# Altium PCB 606-100869-r02.pcbdoc (part 2 of 3)
Units mm, origin at the board's own origin, x right, y up, seen from the top; angles counter-clockwise.
Board outline 64 x 68 mm, 4 copper layers (Top Layer, Ground, Power, Bottom Layer), stack 1.551 mm thick; 165 components, 69 nets, 488 pads, 282 vias.
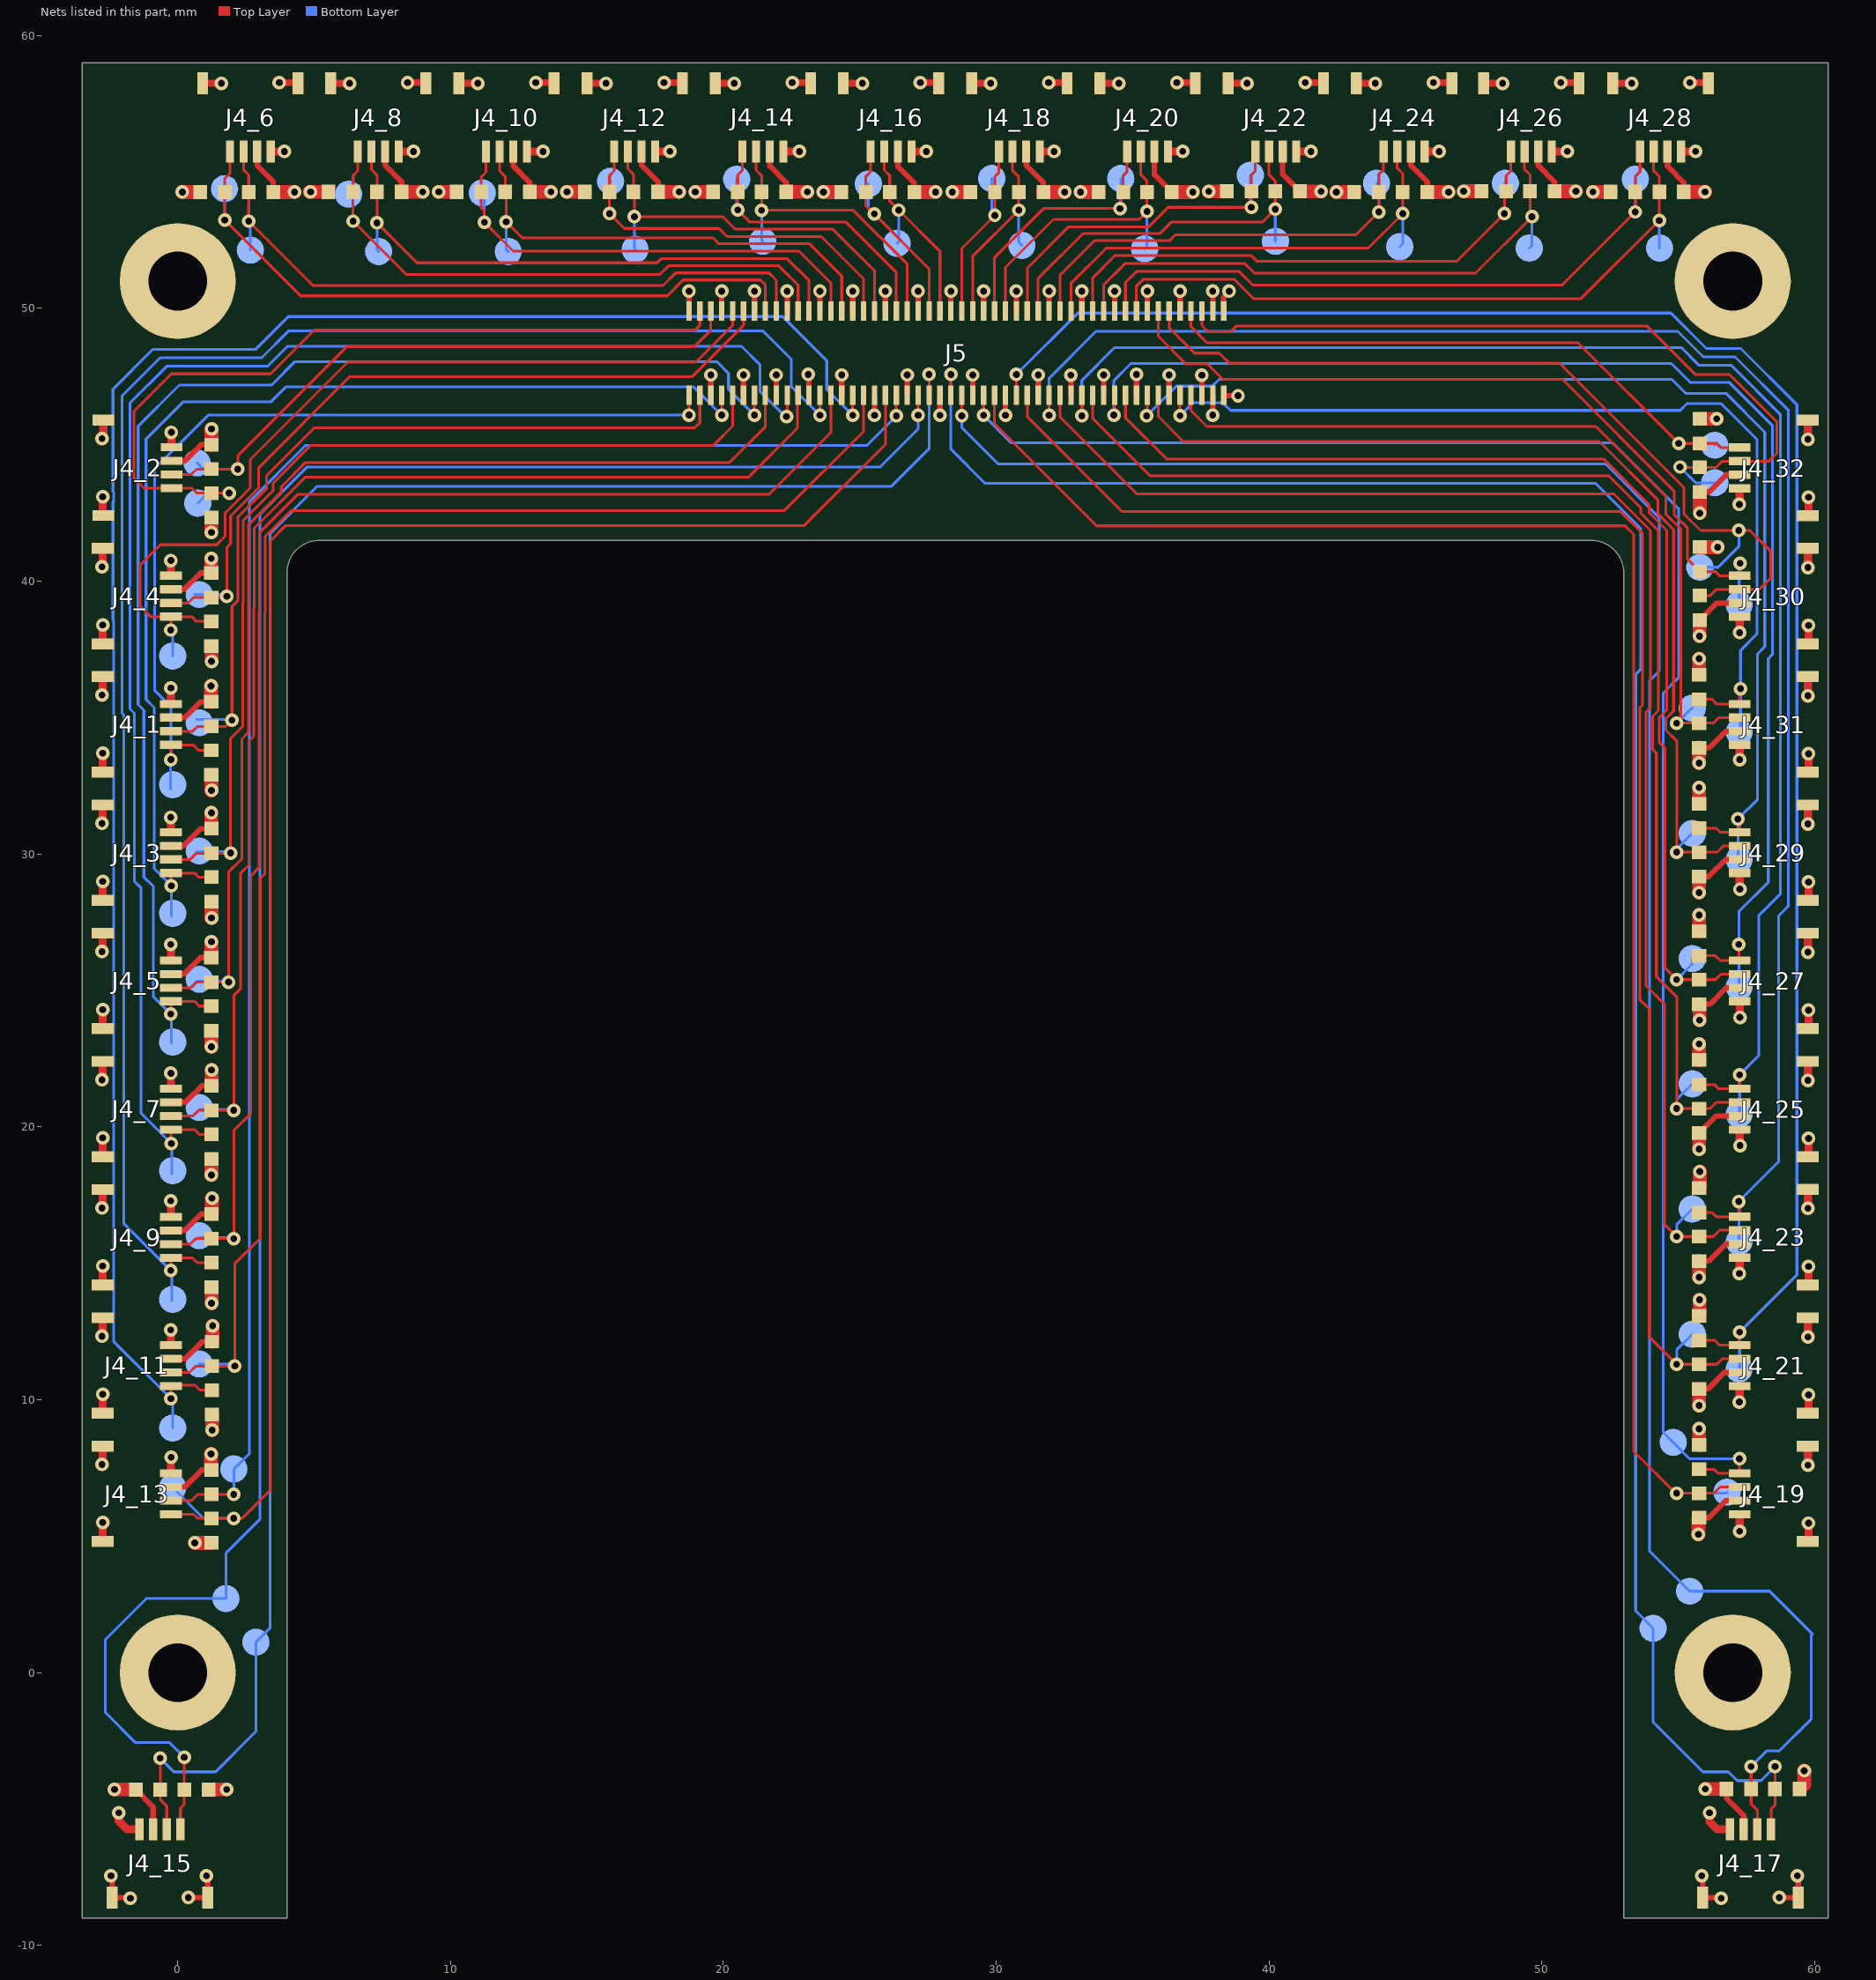
[diagram p4: the nets of this part, all layers, seen from the top]

## Footprints (in the part's own frame and the unit in brackets; to place one, negate y for a bottom-side part, rotate by r counter-clockwise, add the part's x,y. Pads: shape width x height; smd on the part's side, far side on the other; paste and mask are expansions set on the pad) (continued)
con_hirose_FH34SRJ-4S [mm] "CON_HIROSE_FH34SRJ-4S"
  rect 0.3x0.8 smd mask+0: 1(-0.75,-2.75) 2(-0.25,-2.75) 3(0.25,-2.75) 4(0.75,-2.75)
  rect 0.4x0.8 smd mask+0: 5(-1.75,-0.25) 6(1.75,-0.25)
  silkscreen extent -2,-3.39 2,0
MTGC425H215P [mm] "MTGC425H215P"
  round 4.25 hole 2.15: 1(0,0)
TP-S100_SMT [mm] "TP-S100_SMT"
  round 1 smd paste-0.5: 1(0,0)

## Part data
J4_1 J4_2 J4_3 J4_4 J4_5 J4_6 J4_7 J4_8 J4_9 J4_10 J4_11 J4_12 J4_13 J4_14 J4_15 J4_16 J4_17 J4_18 J4_19 J4_20 J4_21 J4_22 J4_23 J4_24 J4_25 J4_26 J4_27 J4_28 J4_29 J4_30 J4_31 J4_32: "CONN FFC FPC 4POS 0.50MM R/A"
J5: library part DF40HC(3.0)-100DS-0.4V(51), "CONN RCPT 100POS 0.4MM SMD GOLD 3.0MM"
M1 M2 M3 M4: "MTG, 4.25mm PAD, 2.15mm Plated Hole"
R1_1 R1_2 R1_3 R1_4 R1_5 R1_6 R1_7 R1_8 R1_9 R1_10 R1_11 R1_12 R1_13 R1_14 R1_15 R1_16 R1_17 R1_18 R1_19 R1_20 R1_21 R1_22 R1_23 R1_24 R1_25 R1_26 R1_27 R1_28 R1_29 R1_30 R1_31 R1_32 R2_1 R2_2 R2_3 R2_4 R2_5 R2_6 R2_7 R2_8 R2_9 R2_10 R2_11 R2_12 R2_13 R2_14 R2_15 R2_16 R2_17 R2_18 R2_19 R2_20 R2_21 R2_22 R2_23 R2_24 R2_25 R2_26 R2_27 R2_28 R2_29 R2_30 R2_31 R2_32: library part RC0402JR-0710KL, "RES 10.0K OHM 1/16W 5% 0402 SMD"
TP48_1 TP48_2 TP48_3 TP48_4 TP48_5 TP48_6 TP48_7 TP48_8 TP48_9 TP48_10 TP48_11 TP48_12 TP48_13 TP48_14 TP48_15 TP48_16 TP48_17 TP48_18 TP48_19 TP48_20 TP48_21 TP48_22 TP48_23 TP48_24 TP48_25 TP48_26 TP48_27 TP48_28 TP48_29 TP48_30 TP48_31 TP48_32 TP49_1 TP49_2 TP49_3 TP49_4 TP49_5 TP49_6 TP49_7 TP49_8 TP49_9 TP49_10 TP49_11 TP49_12 TP49_13 TP49_14 TP49_15 TP49_16 TP49_17 TP49_18 TP49_19 TP49_20 TP49_21 TP49_22 TP49_23 TP49_24 TP49_25 TP49_26 TP49_27 TP49_28 TP49_29 TP49_30 TP49_31 TP49_32: library part TP0042, "TESTPOINT, 1MM SMD, Square pad, Round SM opening"

## Via types
v1: diameter 0.5, hole 0.25, Top Layer to Bottom Layer, tented both sides, 282 vias

## Nets (pads, with @x,y where several pads share a name; then routed paths per layer and width w, separated by ;. In a path a pad name is that pad's centre, name@x,y a point inside that pad or via, vN(x,y) a via of type N, cw(c..) or ccw(c..) an arc to the next point about the centre after c; other vN are vias at no path point)
GND: J4_1.3 J4_1.5 J4_1.6 J4_2.3 J4_2.5 J4_2.6 J4_3.3 J4_3.5 J4_3.6 J4_4.3 J4_4.5 J4_4.6 J4_5.3 J4_5.5 J4_5.6 J4_6.3 J4_6.5 J4_6.6 J4_7.3 J4_7.5 J4_7.6 J4_8.3 J4_8.5 J4_8.6 J4_9.3 J4_9.5 J4_9.6 J4_10.3 J4_10.5 J4_10.6 J4_11.3 J4_11.5 J4_11.6 J4_12.3 J4_12.5 J4_12.6 J4_13.3 J4_13.5 J4_13.6 J4_14.3 J4_14.5 J4_14.6 J4_15.3 J4_15.5 J4_15.6 J4_16.3 J4_16.5 J4_16.6 J4_17.3 J4_17.5 J4_17.6 J4_18.3 J4_18.5 J4_18.6 J4_19.3 J4_19.5 J4_19.6 J4_20.3 J4_20.5 J4_20.6 J4_21.3 J4_21.5 J4_21.6 J4_22.3 J4_22.5 J4_22.6 J4_23.3 J4_23.5 J4_23.6 J4_24.3 J4_24.5 J4_24.6 J4_25.3 J4_25.5 J4_25.6 J4_26.3 J4_26.5 J4_26.6 J4_27.3 J4_27.5 J4_27.6 J4_28.3 J4_28.5 J4_28.6 J4_29.3 J4_29.5 J4_29.6 J4_30.3 J4_30.5 J4_30.6 J4_31.3 J4_31.5 J4_31.6 J4_32.3 J4_32.5 J4_32.6 J5.5 J5.11 J5.17 J5.23 J5.29 J5.35 J5.41 J5.47 J5.53 J5.59 J5.65 J5.71 J5.77 J5.83 J5.89 J5.95 J5.97 J5.98 J5.99 J5.100 M1.1 M2.1 M3.1 M4.1 R1_1.1 R1_2.1 R1_3.1 R1_4.1 R1_5.1 R1_6.1 R1_7.1 R1_8.1 R1_9.1 R1_10.1 R1_11.1 R1_12.1 R1_13.1 R1_14.1 R1_15.1 R1_16.1 R1_17.1 R1_18.1 R1_19.1 R1_20.1 R1_21.1 R1_22.1 R1_23.1 R1_24.1 R1_25.1 R1_26.1 R1_27.1 R1_28.1 R1_29.1 R1_30.1 R1_31.1 R1_32.1 R2_1.1 R2_2.1 R2_3.1 R2_4.1 R2_5.1 R2_6.1 R2_7.1 R2_8.1 R2_9.1 R2_10.1 R2_11.1 R2_12.1 R2_13.1 R2_14.1 R2_15.1 R2_16.1 R2_17.1 R2_18.1 R2_19.1 R2_20.1 R2_21.1 R2_22.1 R2_23.1 R2_24.1 R2_25.1 R2_26.1 R2_27.1 R2_28.1 R2_29.1 R2_30.1 R2_31.1 R2_32.1 | length 160
  Top Layer w0.1: v1(23.115,47.58) v1@23.14,47.555 ; J5.99@38.34,46.82 J5.99@38.362,46.798
  Top Layer w0.2: v1(-2.446,-7.453) -2.4,-7.499 J4_15.6@-2.4,-8.25 -1.76,-8.25 v1(-1.734,-8.276) ; R1_15.1@-1.539,-4.29 -0.9,-4.928 J4_15.3@-0.9,-5.75 ; J4_13.3@-0.25,6.8 0.257,6.8 0.885,7.429 R1_13.1@1.235,7.429 ; J4_11.3@-0.25,11.5 0.282,11.5 0.911,12.129 R1_11.1@1.256,12.129 ; J4_9.3@-0.25,16.2 0.257,16.2 0.86,16.804 R1_9.1@1.235,16.804 ; J4_7.3@-0.25,20.9 0.282,20.9 0.885,21.504 R1_7.1@1.235,21.504 ; J4_5.3@-0.25,25.6 0.232,25.6 0.836,26.204 R1_5.1@1.231,26.204 ; J4_3.3@-0.25,30.3 0.207,30.3 0.835,30.929 R1_3.1@1.235,30.929 ; J4_1.3@-0.25,35 0.257,35 0.836,35.579 R1_1.1@1.231,35.579 ; J4_4.3@-0.25,39.7 0.232,39.7 0.836,40.304 R1_4.1@1.231,40.304 ; J4_2.3@-0.225,44.41 0.267,44.41 ; 0.293,44.436 0.863,45.007 R1_2.1@1.235,45.007 ; v1(0.392,-8.25) J4_15.5@1.1,-8.25 1.1,-7.499 v1(1.054,-7.453) ; J4_6.3@2.914,55.75 2.914,55.236 3.504,54.646 R1_6.1@3.504,54.265 ; J4_8.3@7.6,55.75 7.6,55.25 8.204,54.646 R1_8.1@8.204,54.269 ; J4_10.3@12.3,55.75 12.3,55.218 12.904,54.614 R1_10.1@12.904,54.269 ; J4_12.3@17,55.75 17,55.243 17.604,54.639 R1_12.1@17.604,54.269 ; J5.5@19.54,46.82 v1(19.54,47.56) ; v1(20.736,47.56) 20.736,46.824 J5.11@20.74,46.82 ; J4_14.3@21.7,55.75 21.7,55.218 22.304,54.614 R1_14.1@22.304,54.269 ; J5.17@21.94,46.82 v1(21.94,47.56) ; J5.23@23.14,46.82 v1@23.14,47.555 ; J5.29@24.34,46.82 v1(24.34,47.56) ; v1(25.54,46.08) J5.35@25.54,46.82 ; J4_16.3@26.397,55.75 26.397,55.203 27,54.6 R1_16.1@27,54.265 ; J5.41@26.74,46.82 v1(26.74,47.56) ; v1(27.94,46.08) J5.47@27.94,46.82 ; J5.53@29.14,46.82 v1(29.14,47.56) ; v1(30.34,46.08) J5.59@30.34,46.82 ; J4_18.3@31.1,55.75 31.1,55.243 31.729,54.615 R1_18.1@31.729,54.265 ; J5.65@31.54,46.82 v1(31.54,47.56) ; J5.71@32.74,46.82 v1(32.74,47.552) ; J5.77@33.94,46.82 v1(33.94,47.56) ; J5.83@35.14,46.82 v1(35.14,47.58) ; J4_20.3@35.8,55.75 35.8,54.893 R1_20.1@36.429,54.265 ; J5.89@36.34,46.82 v1(36.34,47.56) ; J5.95@37.54,46.82 v1(37.54,47.552) ; v1(37.94,46.088) J5.97@37.94,46.82 ; J5.98@37.94,49.9 v1(37.94,50.632) ; J5.100@38.34,49.9 38.34,50.41 38.54,50.61 v1(38.54,50.632) ; J5.99@38.362,46.798 v1(38.865,46.798) ; J4_22.3@40.5,55.75 40.5,54.918 R1_22.1@41.129,54.29 ; J4_24.3@45.2,55.75 45.2,55.243 45.804,54.64 R1_24.1@45.804,54.265 ; J4_26.3@49.866,55.75 49.866,55.234 50.47,54.63 R1_26.1@50.47,54.294 ; J4_28.3@54.6,55.75 54.6,55.218 55.204,54.614 R1_28.1@55.204,54.269 ; R1_19.1@55.765,5.671 56.115,5.671 56.743,6.3 J4_19.3@57.25,6.3 ; R1_21.1@55.765,10.396 56.096,10.396 56.7,11 J4_21.3@57.25,11 ; R1_23.1@55.765,15.081 56.115,15.081 56.743,15.71 J4_23.3@57.25,15.71 ; R1_25.1@55.765,19.771 56.393,20.4 J4_25.3@57.25,20.4 ; R1_27.1@55.765,24.496 56.165,24.496 56.768,25.1 J4_27.3@57.25,25.1 ; R1_29.1@55.765,29.168 56.112,29.168 56.743,29.8 J4_29.3@57.25,29.8 ; R1_31.1@55.765,33.896 56.14,33.896 56.743,34.5 J4_31.3@57.25,34.5 ; R1_30.1@55.79,38.571 56.418,39.2 J4_30.3@57.25,39.2 ; R1_32.1@55.79,43.271 56.131,43.271 56.76,43.9 J4_32.3@57.25,43.9 ; v1(55.864,-7.453) 55.9,-7.489 J4_17.6@55.9,-8.25 56.55,-8.25 v1(56.576,-8.276) ; R1_17.1@56.771,-4.269 56.771,-4.611 57.4,-5.24 J4_17.3@57.4,-5.75 ; v1(58.702,-8.25) J4_17.5@59.4,-8.25 59.4,-7.489 v1(59.364,-7.453)
  Top Layer w0.254: J4_6.5@0.914,58.25 v1(1.598,58.25) ; v1(3.724,58.276) 4.388,58.276 J4_6.6@4.414,58.25 ; J4_8.5@5.6,58.25 v1(6.298,58.25) ; v1(8.424,58.276) 9.074,58.276 J4_8.6@9.1,58.25 ; J4_10.5@10.3,58.25 v1(10.998,58.25) ; v1(13.124,58.276) 13.774,58.276 J4_10.6@13.8,58.25 ; J4_12.5@15,58.25 v1(15.698,58.25) ; v1(17.824,58.276) 18.474,58.276 J4_12.6@18.5,58.25 ; J4_14.5@19.7,58.25 v1(20.398,58.25) ; v1(22.524,58.276) 23.174,58.276 J4_14.6@23.2,58.25 ; J4_16.5@24.397,58.25 v1(25.095,58.25) ; v1(27.221,58.276) 27.871,58.276 J4_16.6@27.897,58.25 ; J4_18.5@29.1,58.25 v1(29.798,58.25) ; v1(31.924,58.276) 32.574,58.276 J4_18.6@32.6,58.25 ; J4_20.5@33.8,58.25 v1(34.498,58.25) ; v1(36.624,58.276) 37.274,58.276 J4_20.6@37.3,58.25 ; J4_22.5@38.5,58.25 v1(39.198,58.25) ; v1(41.324,58.276) 41.974,58.276 J4_22.6@42,58.25 ; J4_24.5@43.2,58.25 v1(43.898,58.25) ; v1(46.024,58.276) 46.674,58.276 J4_24.6@46.7,58.25 ; J4_26.5@47.866,58.25 v1(48.564,58.25) ; v1(50.69,58.276) 51.34,58.276 J4_26.6@51.366,58.25 ; J4_28.5@52.6,58.25 v1(53.298,58.25) ; v1(55.424,58.276) 56.074,58.276 J4_28.6@56.1,58.25
  Top Layer w0.3: v1(-2.776,7.624) -2.75,7.65 J4_13.6@-2.75,8.3 ; v1(-2.776,12.324) -2.75,12.35 J4_11.6@-2.75,13 ; v1(-2.776,17.024) -2.75,17.05 J4_9.6@-2.75,17.7 ; v1(-2.776,21.724) -2.75,21.75 J4_7.6@-2.75,22.4 ; v1(-2.776,26.424) -2.75,26.45 J4_5.6@-2.75,27.1 ; v1(-2.776,31.124) -2.75,31.15 J4_3.6@-2.75,31.8 ; v1(-2.776,35.824) -2.75,35.85 J4_1.6@-2.75,36.5 ; v1(-2.776,40.524) -2.75,40.55 J4_4.6@-2.75,41.2 ; v1(-2.776,45.224) -2.725,45.275 J4_2.6@-2.725,45.91 ; J4_13.5@-2.75,4.8 v1(-2.75,5.498) ; J4_11.5@-2.75,9.5 v1(-2.75,10.198) ; J4_9.5@-2.75,14.2 v1(-2.75,14.898) ; J4_7.5@-2.75,18.9 v1(-2.75,19.598) ; J4_5.5@-2.75,23.6 v1(-2.75,24.298) ; J4_3.5@-2.75,28.3 v1(-2.75,28.998) ; J4_1.5@-2.75,33 v1(-2.75,33.698) ; J4_4.5@-2.75,37.7 v1(-2.75,38.398) ; v1(-2.75,43.098) -2.75,42.435 J4_2.5@-2.725,42.41 ; J4_19.6@59.75,4.8 59.776,4.826 v1(59.776,5.476) ; v1(59.75,7.602) J4_19.5@59.75,8.3 ; J4_21.6@59.75,9.5 59.776,9.526 v1(59.776,10.176) ; v1(59.75,12.302) J4_21.5@59.75,13 ; J4_23.6@59.75,14.21 59.776,14.236 v1(59.776,14.886) ; v1(59.75,17.012) J4_23.5@59.75,17.71 ; J4_25.6@59.75,18.9 59.776,18.926 v1(59.776,19.576) ; v1(59.75,21.702) J4_25.5@59.75,22.4 ; J4_27.6@59.75,23.6 59.776,23.626 v1(59.776,24.276) ; v1(59.75,26.402) J4_27.5@59.75,27.1 ; J4_29.6@59.75,28.3 59.776,28.326 v1(59.776,28.976) ; v1(59.75,31.102) J4_29.5@59.75,31.8 ; J4_31.6@59.75,33 59.776,33.026 v1(59.776,33.676) ; v1(59.75,35.802) J4_31.5@59.75,36.5 ; J4_30.6@59.75,37.7 59.776,37.726 v1(59.776,38.376) ; v1(59.75,40.502) J4_30.5@59.75,41.2 ; J4_32.6@59.75,42.4 59.776,42.426 v1(59.776,43.076) ; v1(59.75,45.202) J4_32.5@59.75,45.9
  Top Layer w0.5: R2_4.1@1.231,37.626 1.24,37.617 v1(1.24,37.06) ; R1_3.1@1.235,30.929 1.228,30.936 1.235,30.943 v1(1.235,31.51) ; R2_27.1@55.765,27.174 55.778,27.188 55.769,27.197 v1(55.769,27.762)
  Top Layer w0.508: v1(-2.317,-4.29) R1_15.1@-1.539,-4.29 ; v1(0.169,54.265) R2_6.1@0.826,54.265 ; v1(0.628,4.751) R2_13.1@1.235,4.751 ; R2_15.1@1.139,-4.29 v1(1.796,-4.29) ; v1(1.222,8.01) 1.222,7.442 R1_13.1@1.235,7.429 ; v1(1.222,36.16) 1.222,35.611 1.24,35.593 1.228,35.582 R1_1.1@1.231,35.579 ; R1_4.1@1.228,40.375 v1(1.228,40.835) ; R2_5.1@1.231,23.526 1.235,23.522 v1(1.235,22.935) ; R1_5.1@1.231,26.204 1.228,26.207 1.235,26.214 v1(1.235,26.785) ; R2_1.1@1.231,32.901 1.242,32.891 1.24,32.889 v1(1.24,32.335) ; R2_9.1@1.235,14.126 1.242,14.12 v1(1.242,13.535) ; R1_9.1@1.235,16.804 1.228,16.811 1.256,16.838 v1(1.256,17.385) ; v1(1.235,18.235) R2_7.1@1.235,18.826 ; R1_7.1@1.235,21.504 1.256,21.524 1.242,21.539 v1(1.242,22.085) ; R2_3.1@1.235,28.251 1.24,28.246 v1(1.24,27.66) ; v1(1.235,41.785) 1.235,42.32 1.231,42.324 R2_2.1@1.235,42.329 ; R1_2.1@1.235,45.007 1.24,45.011 v1(1.24,45.585) ; R2_11.1@1.256,9.451 1.261,9.446 v1(1.261,8.885) ; R1_11.1@1.256,12.129 1.276,12.149 v1(1.276,12.71) ; R1_6.1@3.504,54.265 v1(4.282,54.265) ; v1@4.833,54.269 R2_8.1@5.49,54.269 ; v1(4.87,54.269) R2_8.1@5.526,54.269 ; R1_8.1@8.204,54.269 v1(8.982,54.269) ; v1(9.57,54.269) R2_10.1@10.226,54.269 ; R1_10.1@12.904,54.269 v1(13.682,54.269) ; v1(14.27,54.269) R2_12.1@14.926,54.269 ; R1_12.1@17.604,54.269 v1(18.382,54.269) ; v1(18.97,54.269) R2_14.1@19.626,54.269 ; R1_14.1@22.304,54.269 v1(23.082,54.269) ; v1(23.666,54.265) R2_16.1@24.322,54.265 ; R1_16.1@27,54.265 v1(27.778,54.265) ; v1(28.394,54.265) R2_18.1@29.051,54.265 ; R1_18.1@31.729,54.265 v1(32.507,54.265) ; v1(33.094,54.265) R2_20.1@33.751,54.265 ; R1_20.1@36.429,54.265 v1(37.207,54.265) ; v1(37.794,54.29) R2_22.1@38.451,54.29 ; R1_22.1@41.129,54.29 v1(41.907,54.29) ; v1(42.469,54.265) R2_24.1@43.126,54.265 ; R1_24.1@45.804,54.265 v1(46.582,54.265) ; v1(47.136,54.294) R2_26.1@47.792,54.294 ; R1_26.1@50.47,54.294 v1(51.248,54.294) ; v1(51.869,54.269) R2_28.1@52.526,54.269 ; R1_28.1@55.204,54.269 v1(55.982,54.269) ; v1(55.74,5.06) 55.74,5.647 R1_19.1@55.765,5.671 ; v1(55.765,8.935) R2_19.1@55.765,8.349 R2_19.1@55.778,8.336 ; v1(55.765,9.785) R1_21.1@55.765,10.396 ; R2_21.1@55.765,13.074 55.778,13.088 v1(55.778,13.66) ; R1_23.1@55.765,15.081 55.769,15.077 v1(55.769,14.485) ; R2_23.1@55.765,17.759 55.79,17.784 v1(55.79,18.36) ; R1_25.1@55.765,19.771 55.768,19.768 v1(55.768,19.185) ; v1(55.765,23.035) R2_25.1@55.765,22.449 R2_25.1@55.778,22.436 ; R1_27.1@55.765,24.496 55.778,24.483 v1(55.778,23.91) ; v1(55.765,28.585) R1_29.1@55.765,29.168 ; R2_29.1@55.765,31.846 55.778,31.86 55.765,31.874 v1(55.765,32.435) ; v1(55.765,33.335) 55.765,33.887 55.769,33.892 R1_31.1@55.765,33.896 ; R2_31.1@55.765,36.574 55.768,36.577 v1(55.768,37.16) ; v1(55.778,37.985) 55.778,38.56 R1_30.1@55.79,38.571 ; R2_30.1@55.79,41.249 v1(56.447,41.249) ; v1(55.79,42.493) R1_32.1@55.79,43.271 ; R2_32.1@55.79,45.949 v1(56.415,45.949) ; v1(55.993,-4.269) R1_17.1@56.771,-4.269 ; R2_17.1@59.449,-4.269 59.62,-4.098 v1(59.62,-3.6)
SENSOR_A1: J4_1.1 J5.1 R2_1.2 TP49_1.1 | length 35.2
  Top Layer w0.1: v1(-0.25,33.46) J4_1.1@-0.25,34 0.564,34 0.763,33.801 R2_1.2@1.231,33.801 ; v1(18.74,46.088) J5.1@18.74,46.82
  Bottom Layer w0.1: TP49_1.1@-0.26,32.385 -0.26,33.45 v1(-0.25,33.46) -0.25,35.41 -0.85,36.01 -0.85,44.12 1.118,46.088 v1(18.74,46.088)
SENSOR_A2: J4_2.1 J5.4 R2_2.2 TP49_2.1 | length 30
  Top Layer w0.1: v1(1.886,43.229) R2_2.2@1.235,43.229 0.71,43.229 0.529,43.41 J4_2.1@-0.225,43.41 -1.235,43.41 -1.61,43.785 -1.61,46.22 -0.23,47.6 3.4,47.6 5,49.2 18.96,49.2 19.14,49.38 J5.4@19.14,49.9
  Bottom Layer w0.1: TP49_2.1@0.736,42.86 1.105,43.229 v1(1.886,43.229)
SENSOR_A3: J4_3.1 J5.7 R2_3.2 TP49_3.1 | length 42.9
  Top Layer w0.1: v1(-0.232,28.835) -0.25,28.853 J4_3.1@-0.25,29.3 0.614,29.3 0.763,29.151 R2_3.2@1.235,29.151 ; v1(19.94,46.088) J5.7@19.94,46.82
  Bottom Layer w0.1: TP49_3.1@-0.235,27.735 -0.235,28.832 v1(-0.232,28.835) -0.86,29.463 -0.86,35.37 -1.16,35.67 -1.16,45.21 0.21,46.58 3.43,46.58 3.98,47.13 18.898,47.13 v1(19.94,46.088)
SENSOR_A4: J4_4.1 J5.10 R2_4.2 TP49_4.1 | length 32.8
  Top Layer w0.1: v1(-0.26,38.21) -0.25,38.22 J4_4.1@-0.25,38.7 ; R2_4.2@1.231,38.526 1.228,38.529 0.685,38.529 0.514,38.7 J4_4.1@-0.25,38.7 ; J5.10@20.34,49.9 20.34,49.38 18.99,48.03 6.23,48.03 2.66,44.46 2.66,43.42 1.74,42.5 1.74,41.648 1.427,41.335 -0.635,41.335 -1.385,40.585 -1.385,39.09 -0.995,38.7 J4_4.1@-0.25,38.7
  Bottom Layer w0.1: v1(-0.26,38.21) -0.185,38.135 TP49_4.1@-0.185,37.26
SENSOR_A5: J4_5.1 J5.13 R2_5.2 TP49_5.1 | length 50.6
  Top Layer w0.1: v1(-0.26,24.135) -0.25,24.145 J4_5.1@-0.25,24.6 0.614,24.6 0.788,24.426 R2_5.2@1.231,24.426 ; v1(21.14,46.088) J5.13@21.14,46.82
  Bottom Layer w0.1: TP49_5.1@-0.226,23.085 -0.226,24.101 v1(-0.26,24.135) -0.89,24.765 -0.89,28.81 -1.24,29.16 -1.24,35.27 -1.45,35.48 -1.45,45.68 0.06,47.19 3.44,47.19 4.3,48.05 19.76,48.05 20.19,47.62 20.19,47.038 v1(21.14,46.088)
SENSOR_A6: J4_6.1 J5.16 R2_6.2 TP49_6.1 | length 26
  Top Layer w0.1: J4_6.1@1.914,55.75 1.914,54.95 1.729,54.765 1.729,54.268 R2_6.2@1.726,54.265 v1(1.726,53.238) 4.504,50.46 17.95,50.46 18.53,51.04 21.36,51.04 21.54,50.86 J5.16@21.54,49.9
  Bottom Layer w0.1: TP49_6.1@1.715,54.385 1.726,54.374 v1(1.726,53.238)
SENSOR_A7: J4_7.1 J5.19 R2_7.2 TP49_7.1 | length 58.3
  Top Layer w0.1: v1(-0.232,19.385) -0.25,19.403 J4_7.1@-0.25,19.9 0.614,19.9 0.788,19.726 R2_7.2@1.235,19.726 ; v1(22.315,46.035) 22.34,46.06 J5.19@22.34,46.82
  Bottom Layer w0.1: TP49_7.1@-0.21,18.285 -0.21,19.363 v1(-0.232,19.385) -1.34,20.493 -1.34,28.75 -1.59,29 -1.59,35.16 -1.75,35.32 -1.75,46.53 -0.4,47.88 3.29,47.88 4.02,48.61 20.665,48.61 21.34,47.935 21.34,46.965 22.27,46.035 v1(22.315,46.035)